# Altium PCB CONTROLLER_BASE.PcbDoc (part 1 of 7) (continued)
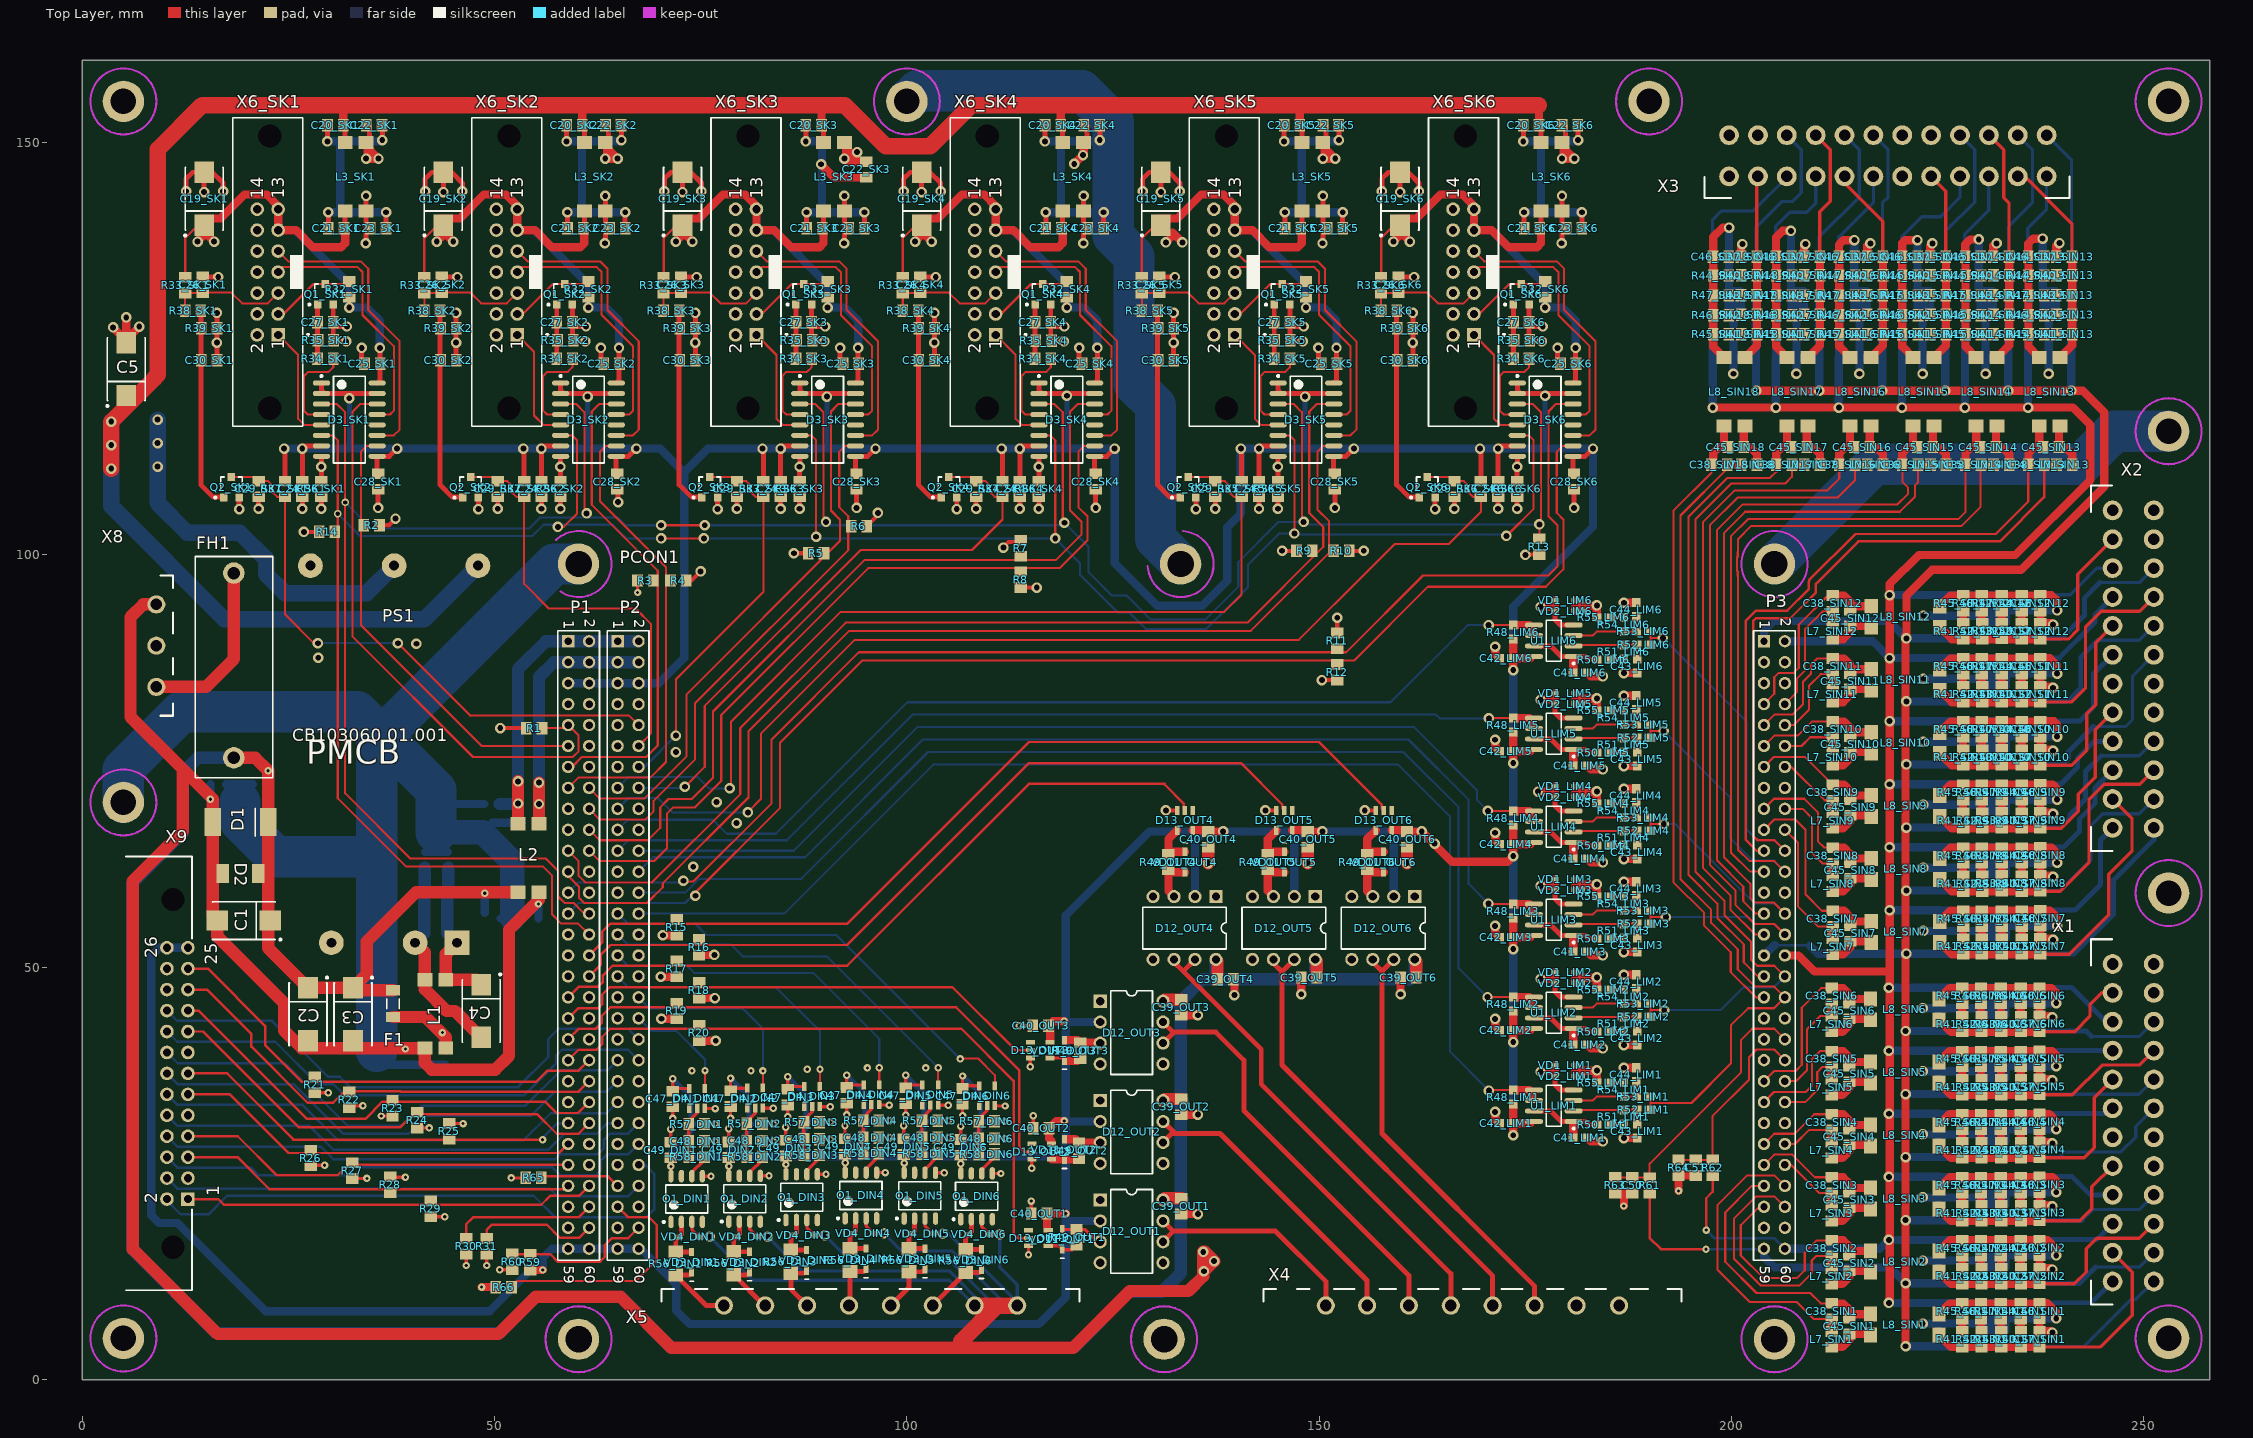
[diagram p0: Top Layer view]
## Design rules (kind name [scope] priority, off if disabled: settings) (continued)
PolygonConnect "Schematic Polygon Connect Style_140" [InComponent('D12_OUT6')] p17: connectstyle=Relief reliefconductorwidth=0.4 reliefentries=4 polygonreliefangle="45 Angle" airgapwidth=0.3
PolygonConnect "Schematic Polygon Connect Style_138" [InComponent('X6_SK5')] p18: connectstyle=Relief reliefconductorwidth=0.4 reliefentries=4 polygonreliefangle="45 Angle" airgapwidth=0.3
PolygonConnect "Schematic Polygon Connect Style_137" [InComponent('D12_OUT2')] p19: connectstyle=Relief reliefconductorwidth=0.4 reliefentries=4 polygonreliefangle="45 Angle" airgapwidth=0.3
PolygonConnect "Schematic Polygon Connect Style_136" [InComponent('D12_OUT4')] p20: connectstyle=Relief reliefconductorwidth=0.4 reliefentries=4 polygonreliefangle="45 Angle" airgapwidth=0.3
PolygonConnect "Schematic Polygon Connect Style_135" [InComponent('D12_OUT5')] p21: connectstyle=Relief reliefconductorwidth=0.4 reliefentries=4 polygonreliefangle="45 Angle" airgapwidth=0.3
PolygonConnect "Schematic Polygon Connect Style_125" [InComponent('D12_OUT6')] p22: connectstyle=Relief reliefconductorwidth=0.4 reliefentries=4 polygonreliefangle="45 Angle" airgapwidth=0.3
PolygonConnect "Schematic Polygon Connect Style_134" [InComponent('D12_OUT2')] p23: connectstyle=Relief reliefconductorwidth=0.4 reliefentries=4 polygonreliefangle="45 Angle" airgapwidth=0.3
PolygonConnect "Schematic Polygon Connect Style_133" [InComponent('D12_OUT3')] p24: connectstyle=Relief reliefconductorwidth=0.4 reliefentries=4 polygonreliefangle="45 Angle" airgapwidth=0.3
PolygonConnect "Schematic Polygon Connect Style_132" [InComponent('D12_OUT4')] p25: connectstyle=Relief reliefconductorwidth=0.4 reliefentries=4 polygonreliefangle="45 Angle" airgapwidth=0.3
PolygonConnect "Schematic Polygon Connect Style_131" [InComponent('D12_OUT5')] p26: connectstyle=Relief reliefconductorwidth=0.4 reliefentries=4 polygonreliefangle="45 Angle" airgapwidth=0.3
PolygonConnect "Schematic Polygon Connect Style_130" [InComponent('D12_OUT6')] p27: connectstyle=Relief reliefconductorwidth=0.4 reliefentries=4 polygonreliefangle="45 Angle" airgapwidth=0.3
PolygonConnect "Schematic Polygon Connect Style_129" [InComponent('PCON1')] p28: connectstyle=Relief reliefconductorwidth=0.4 reliefentries=4 polygonreliefangle="45 Angle" airgapwidth=0.3
PolygonConnect "Schematic Polygon Connect Style_128" [InComponent('X1')] p29: connectstyle=Relief reliefconductorwidth=0.4 reliefentries=4 polygonreliefangle="45 Angle" airgapwidth=0.3
PolygonConnect "Schematic Polygon Connect Style_127" [InComponent('X2')] p30: connectstyle=Relief reliefconductorwidth=0.4 reliefentries=4 polygonreliefangle="45 Angle" airgapwidth=0.3
PolygonConnect "Schematic Polygon Connect Style_126" [InComponent('X3')] p31: connectstyle=Relief reliefconductorwidth=0.4 reliefentries=4 polygonreliefangle="45 Angle" airgapwidth=0.3
PolygonConnect "Schematic Polygon Connect Style_124" [InComponent('X6_SK5')] p32: connectstyle=Relief reliefconductorwidth=0.4 reliefentries=4 polygonreliefangle="45 Angle" airgapwidth=0.3
PolygonConnect "Schematic Polygon Connect Style_123" [InComponent('X6_SK6')] p33: connectstyle=Relief reliefconductorwidth=0.4 reliefentries=4 polygonreliefangle="45 Angle" airgapwidth=0.3
PolygonConnect "Schematic Polygon Connect Style_122" [InComponent('X9')] p34: connectstyle=Relief reliefconductorwidth=0.4 reliefentries=4 polygonreliefangle="45 Angle" airgapwidth=0.3
PolygonConnect "Schematic Polygon Connect Style_121" [InComponent('X6_SK2')] p35: connectstyle=Relief reliefconductorwidth=0.762 reliefentries=4 polygonreliefangle="45 Angle" airgapwidth=0.254
PolygonConnect "Schematic Polygon Connect Style_120" [InComponent('X6_SK3')] p36: connectstyle=Relief reliefconductorwidth=0.762 reliefentries=4 polygonreliefangle="45 Angle" airgapwidth=0.254
PolygonConnect "Schematic Polygon Connect Style_119" [InComponent('X4')] p37: connectstyle=Relief reliefconductorwidth=0.3 reliefentries=4 polygonreliefangle="45 Angle" airgapwidth=0.3
PolygonConnect "Schematic Polygon Connect Style_108" [InComponent('X5')] p38: connectstyle=Relief reliefconductorwidth=0.3 reliefentries=4 polygonreliefangle="45 Angle" airgapwidth=0.3
PolygonConnect "Schematic Polygon Connect Style_118" [InComponent('X6_SK6')] p39: connectstyle=Relief reliefconductorwidth=0.762 reliefentries=4 polygonreliefangle="45 Angle" airgapwidth=0.254
PolygonConnect "Schematic Polygon Connect Style_117" [InComponent('X6_SK2')] p40: connectstyle=Relief reliefconductorwidth=0.762 reliefentries=4 polygonreliefangle="45 Angle" airgapwidth=0.254
PolygonConnect "Schematic Polygon Connect Style_116" [InComponent('X6_SK3')] p41: connectstyle=Relief reliefconductorwidth=0.762 reliefentries=4 polygonreliefangle="45 Angle" airgapwidth=0.254
PolygonConnect "Schematic Polygon Connect Style_115" [InComponent('X6_SK2')] p42: connectstyle=Relief reliefconductorwidth=0.762 reliefentries=4 polygonreliefangle="45 Angle" airgapwidth=0.254
PolygonConnect "Schematic Polygon Connect Style_114" [InComponent('X6_SK3')] p43: connectstyle=Relief reliefconductorwidth=0.762 reliefentries=4 polygonreliefangle="45 Angle" airgapwidth=0.254
PolygonConnect "Schematic Polygon Connect Style_113" [InComponent('X6_SK2')] p44: connectstyle=Relief reliefconductorwidth=0.762 reliefentries=4 polygonreliefangle="45 Angle" airgapwidth=0.254
PolygonConnect "Schematic Polygon Connect Style_112" [InComponent('X6_SK3')] p45: connectstyle=Relief reliefconductorwidth=0.762 reliefentries=4 polygonreliefangle="45 Angle" airgapwidth=0.254
PolygonConnect "Schematic Polygon Connect Style_111" [InComponent('X6_SK2')] p46: connectstyle=Relief reliefconductorwidth=0.762 reliefentries=4 polygonreliefangle="45 Angle" airgapwidth=0.254
PolygonConnect "Schematic Polygon Connect Style_110" [InComponent('X6_SK3')] p47: connectstyle=Relief reliefconductorwidth=0.762 reliefentries=4 polygonreliefangle="45 Angle" airgapwidth=0.254
PolygonConnect "Schematic Polygon Connect Style_109" [InComponent('X6_SK2')] p48: connectstyle=Relief reliefconductorwidth=0.762 reliefentries=4 polygonreliefangle="45 Angle" airgapwidth=0.254
PolygonConnect "Schematic Polygon Connect Style_83" [InComponent('X6_SK3')] p49: connectstyle=Relief reliefconductorwidth=0.762 reliefentries=4 polygonreliefangle="45 Angle" airgapwidth=0.254
PolygonConnect "Schematic Polygon Connect Style_107" [InComponent('X6_SK2')] p50: connectstyle=Relief reliefconductorwidth=0.762 reliefentries=4 polygonreliefangle="45 Angle" airgapwidth=0.254
PolygonConnect "Schematic Polygon Connect Style_106" [InComponent('X6_SK1')] p51: connectstyle=Relief reliefconductorwidth=0.762 reliefentries=4 polygonreliefangle="45 Angle" airgapwidth=0.254
PolygonConnect "Schematic Polygon Connect Style_105" [InComponent('X6_SK1')] p52: connectstyle=Relief reliefconductorwidth=0.762 reliefentries=4 polygonreliefangle="45 Angle" airgapwidth=0.254
PolygonConnect "Schematic Polygon Connect Style_104" [InComponent('X6_SK2')] p53: connectstyle=Relief reliefconductorwidth=0.762 reliefentries=4 polygonreliefangle="45 Angle" airgapwidth=0.254
PolygonConnect "Schematic Polygon Connect Style_103" [InComponent('X6_SK1')] p54: connectstyle=Relief reliefconductorwidth=0.762 reliefentries=4 polygonreliefangle="45 Angle" airgapwidth=0.254
PolygonConnect "Schematic Polygon Connect Style_102" [InComponent('X6_SK3')] p55: connectstyle=Relief reliefconductorwidth=0.762 reliefentries=4 polygonreliefangle="45 Angle" airgapwidth=0.254
PolygonConnect "Schematic Polygon Connect Style_101" [InComponent('X6_SK2')] p56: connectstyle=Relief reliefconductorwidth=0.762 reliefentries=4 polygonreliefangle="45 Angle" airgapwidth=0.254
PolygonConnect "Schematic Polygon Connect Style_100" [InComponent('X6_SK3')] p57: connectstyle=Relief reliefconductorwidth=0.762 reliefentries=4 polygonreliefangle="45 Angle" airgapwidth=0.254
PolygonConnect "Schematic Polygon Connect Style_99" [InComponent('X6_SK1')] p58: connectstyle=Relief reliefconductorwidth=0.762 reliefentries=4 polygonreliefangle="45 Angle" airgapwidth=0.254
PolygonConnect "Schematic Polygon Connect Style_98" [InComponent('X6_SK3')] p59: connectstyle=Relief reliefconductorwidth=0.762 reliefentries=4 polygonreliefangle="45 Angle" airgapwidth=0.254
PolygonConnect "Schematic Polygon Connect Style_97" [InComponent('X6_SK1')] p60: connectstyle=Relief reliefconductorwidth=0.762 reliefentries=4 polygonreliefangle="45 Angle" airgapwidth=0.254
PolygonConnect "Schematic Polygon Connect Style_96" [InComponent('X6_SK3')] p61: connectstyle=Relief reliefconductorwidth=0.762 reliefentries=4 polygonreliefangle="45 Angle" airgapwidth=0.254
PolygonConnect "Schematic Polygon Connect Style_95" [InComponent('X6_SK2')] p62: connectstyle=Relief reliefconductorwidth=0.762 reliefentries=4 polygonreliefangle="45 Angle" airgapwidth=0.254
PolygonConnect "Schematic Polygon Connect Style_94" [InComponent('X6_SK3')] p63: connectstyle=Relief reliefconductorwidth=0.762 reliefentries=4 polygonreliefangle="45 Angle" airgapwidth=0.254
PolygonConnect "Schematic Polygon Connect Style_93" [InComponent('X6_SK2')] p64: connectstyle=Relief reliefconductorwidth=0.762 reliefentries=4 polygonreliefangle="45 Angle" airgapwidth=0.254
PolygonConnect "Schematic Polygon Connect Style_92" [InComponent('X6_SK1')] p65: connectstyle=Relief reliefconductorwidth=0.762 reliefentries=4 polygonreliefangle="45 Angle" airgapwidth=0.254
PolygonConnect "Schematic Polygon Connect Style_91" [InComponent('X6_SK2')] p66: connectstyle=Relief reliefconductorwidth=0.762 reliefentries=4 polygonreliefangle="45 Angle" airgapwidth=0.254
PolygonConnect "Schematic Polygon Connect Style_90" [InComponent('X6_SK3')] p67: connectstyle=Relief reliefconductorwidth=0.762 reliefentries=4 polygonreliefangle="45 Angle" airgapwidth=0.254
PolygonConnect "Schematic Polygon Connect Style_89" [InComponent('X6_SK6')] p68: connectstyle=Relief reliefconductorwidth=0.762 reliefentries=4 polygonreliefangle="45 Angle" airgapwidth=0.254
PolygonConnect "Schematic Polygon Connect Style_88" [InComponent('X6_SK1')] p69: connectstyle=Relief reliefconductorwidth=0.762 reliefentries=4 polygonreliefangle="45 Angle" airgapwidth=0.254
PolygonConnect "Schematic Polygon Connect Style_87" [InComponent('X6_SK3')] p70: connectstyle=Relief reliefconductorwidth=0.762 reliefentries=4 polygonreliefangle="45 Angle" airgapwidth=0.254
PolygonConnect "Schematic Polygon Connect Style_86" [InComponent('X6_SK6')] p71: connectstyle=Relief reliefconductorwidth=0.762 reliefentries=4 polygonreliefangle="45 Angle" airgapwidth=0.254
PolygonConnect "Schematic Polygon Connect Style_85" [InComponent('X6_SK1')] p72: connectstyle=Relief reliefconductorwidth=0.762 reliefentries=4 polygonreliefangle="45 Angle" airgapwidth=0.254
PolygonConnect "Schematic Polygon Connect Style_84" [InComponent('X6_SK3')] p73: connectstyle=Relief reliefconductorwidth=0.762 reliefentries=4 polygonreliefangle="45 Angle" airgapwidth=0.254
PolygonConnect "Schematic Polygon Connect Style_55" [InComponent('X6_SK6')] p74: connectstyle=Relief reliefconductorwidth=0.762 reliefentries=4 polygonreliefangle="45 Angle" airgapwidth=0.254
PolygonConnect "Schematic Polygon Connect Style_82" [InComponent('X6_SK1')] p75: connectstyle=Relief reliefconductorwidth=0.762 reliefentries=4 polygonreliefangle="45 Angle" airgapwidth=0.254
PolygonConnect "Schematic Polygon Connect Style_81" [InComponent('X6_SK3')] p76: connectstyle=Relief reliefconductorwidth=0.762 reliefentries=4 polygonreliefangle="45 Angle" airgapwidth=0.254
PolygonConnect "Schematic Polygon Connect Style_80" [InComponent('X6_SK6')] p77: connectstyle=Relief reliefconductorwidth=0.762 reliefentries=4 polygonreliefangle="45 Angle" airgapwidth=0.254
PolygonConnect "Schematic Polygon Connect Style_79" [InComponent('X6_SK2')] p78: connectstyle=Relief reliefconductorwidth=0.762 reliefentries=4 polygonreliefangle="45 Angle" airgapwidth=0.254
PolygonConnect "Schematic Polygon Connect Style_78" [InComponent('X6_SK3')] p79: connectstyle=Relief reliefconductorwidth=0.762 reliefentries=4 polygonreliefangle="45 Angle" airgapwidth=0.254
PolygonConnect "Schematic Polygon Connect Style_77" [InComponent('X6_SK6')] p80: connectstyle=Relief reliefconductorwidth=0.762 reliefentries=4 polygonreliefangle="45 Angle" airgapwidth=0.254
PolygonConnect "Schematic Polygon Connect Style_76" [InComponent('X6_SK1')] p81: connectstyle=Relief reliefconductorwidth=0.762 reliefentries=4 polygonreliefangle="45 Angle" airgapwidth=0.254
PolygonConnect "Schematic Polygon Connect Style_75" [InComponent('X6_SK3')] p82: connectstyle=Relief reliefconductorwidth=0.762 reliefentries=4 polygonreliefangle="45 Angle" airgapwidth=0.254
PolygonConnect "Schematic Polygon Connect Style_74" [InComponent('X6_SK6')] p83: connectstyle=Relief reliefconductorwidth=0.762 reliefentries=4 polygonreliefangle="45 Angle" airgapwidth=0.254
PolygonConnect "Schematic Polygon Connect Style_73" [InComponent('X6_SK2')] p84: connectstyle=Relief reliefconductorwidth=0.762 reliefentries=4 polygonreliefangle="45 Angle" airgapwidth=0.254
PolygonConnect "Schematic Polygon Connect Style_72" [InComponent('X6_SK3')] p85: connectstyle=Relief reliefconductorwidth=0.762 reliefentries=4 polygonreliefangle="45 Angle" airgapwidth=0.254
PolygonConnect "Schematic Polygon Connect Style_71" [InComponent('X6_SK6')] p86: connectstyle=Relief reliefconductorwidth=0.762 reliefentries=4 polygonreliefangle="45 Angle" airgapwidth=0.254
PolygonConnect "Schematic Polygon Connect Style_70" [InComponent('X6_SK6')] p87: connectstyle=Relief reliefconductorwidth=0.762 reliefentries=4 polygonreliefangle="45 Angle" airgapwidth=0.254
PolygonConnect "Schematic Polygon Connect Style_69" [InComponent('X6_SK2')] p88: connectstyle=Relief reliefconductorwidth=0.762 reliefentries=4 polygonreliefangle="45 Angle" airgapwidth=0.254
PolygonConnect "Schematic Polygon Connect Style_68" [InComponent('X6_SK1')] p89: connectstyle=Relief reliefconductorwidth=0.762 reliefentries=4 polygonreliefangle="45 Angle" airgapwidth=0.254
PolygonConnect "Schematic Polygon Connect Style_67" [InComponent('X6_SK1')] p90: connectstyle=Relief reliefconductorwidth=0.762 reliefentries=4 polygonreliefangle="45 Angle" airgapwidth=0.254
PolygonConnect "Schematic Polygon Connect Style_66" [InComponent('X6_SK3')] p91: connectstyle=Relief reliefconductorwidth=0.762 reliefentries=4 polygonreliefangle="45 Angle" airgapwidth=0.254
PolygonConnect "Schematic Polygon Connect Style_65" [InComponent('X6_SK6')] p92: connectstyle=Relief reliefconductorwidth=0.762 reliefentries=4 polygonreliefangle="45 Angle" airgapwidth=0.254
PolygonConnect "Schematic Polygon Connect Style_64" [InComponent('X6_SK1')] p93: connectstyle=Relief reliefconductorwidth=0.762 reliefentries=4 polygonreliefangle="45 Angle" airgapwidth=0.254
PolygonConnect "Schematic Polygon Connect Style_63" [InComponent('X6_SK3')] p94: connectstyle=Relief reliefconductorwidth=0.762 reliefentries=4 polygonreliefangle="45 Angle" airgapwidth=0.254
PolygonConnect "Schematic Polygon Connect Style_62" [InComponent('X6_SK6')] p95: connectstyle=Relief reliefconductorwidth=0.762 reliefentries=4 polygonreliefangle="45 Angle" airgapwidth=0.254
PolygonConnect "Schematic Polygon Connect Style_61" [InComponent('X1_SK2')] p96: connectstyle=Relief reliefconductorwidth=0.762 reliefentries=4 polygonreliefangle="45 Angle" airgapwidth=0.254
PolygonConnect "Schematic Polygon Connect Style_60" [InComponent('X1_SK3')] p97: connectstyle=Relief reliefconductorwidth=0.762 reliefentries=4 polygonreliefangle="45 Angle" airgapwidth=0.254
PolygonConnect "Schematic Polygon Connect Style_59" [InComponent('X1_SK6')] p98: connectstyle=Relief reliefconductorwidth=0.762 reliefentries=4 polygonreliefangle="45 Angle" airgapwidth=0.254
PolygonConnect "Schematic Polygon Connect Style_58" [InComponent('X1_SK1')] p99: connectstyle=Relief reliefconductorwidth=0.762 reliefentries=4 polygonreliefangle="45 Angle" airgapwidth=0.254
PolygonConnect "Schematic Polygon Connect Style_57" [InComponent('X1_SK3')] p100: connectstyle=Relief reliefconductorwidth=0.762 reliefentries=4 polygonreliefangle="45 Angle" airgapwidth=0.254
PolygonConnect "Schematic Polygon Connect Style_56" [InComponent('X1_SK5')] p101: connectstyle=Relief reliefconductorwidth=0.762 reliefentries=4 polygonreliefangle="45 Angle" airgapwidth=0.254
PolygonConnect "Schematic Polygon Connect Style_25" [InComponent('X1_SK6')] p102: connectstyle=Relief reliefconductorwidth=0.762 reliefentries=4 polygonreliefangle="45 Angle" airgapwidth=0.254
PolygonConnect "Schematic Polygon Connect Style_54" [InComponent('X1_SK1')] p103: connectstyle=Relief reliefconductorwidth=0.762 reliefentries=4 polygonreliefangle="45 Angle" airgapwidth=0.254
PolygonConnect "Schematic Polygon Connect Style_53" [InComponent('X1_SK3')] p104: connectstyle=Relief reliefconductorwidth=0.762 reliefentries=4 polygonreliefangle="45 Angle" airgapwidth=0.254
PolygonConnect "Schematic Polygon Connect Style_52" [InComponent('X1_SK5')] p105: connectstyle=Relief reliefconductorwidth=0.762 reliefentries=4 polygonreliefangle="45 Angle" airgapwidth=0.254
PolygonConnect "Schematic Polygon Connect Style_51" [InComponent('X1_SK6')] p106: connectstyle=Relief reliefconductorwidth=0.762 reliefentries=4 polygonreliefangle="45 Angle" airgapwidth=0.254
PolygonConnect "Schematic Polygon Connect Style_50" [InComponent('X1_SK2')] p107: connectstyle=Relief reliefconductorwidth=0.762 reliefentries=4 polygonreliefangle="45 Angle" airgapwidth=0.254
PolygonConnect "Schematic Polygon Connect Style_49" [InComponent('X1_SK3')] p108: connectstyle=Relief reliefconductorwidth=0.762 reliefentries=4 polygonreliefangle="45 Angle" airgapwidth=0.254
PolygonConnect "Schematic Polygon Connect Style_48" [InComponent('X1_SK5')] p109: connectstyle=Relief reliefconductorwidth=0.762 reliefentries=4 polygonreliefangle="45 Angle" airgapwidth=0.254
PolygonConnect "Schematic Polygon Connect Style_47" [InComponent('X1_SK6')] p110: connectstyle=Relief reliefconductorwidth=0.762 reliefentries=4 polygonreliefangle="45 Angle" airgapwidth=0.254
PolygonConnect "Schematic Polygon Connect Style_46" [InComponent('X1_SK3')] p111: connectstyle=Relief reliefconductorwidth=0.762 reliefentries=4 polygonreliefangle="45 Angle" airgapwidth=0.254
PolygonConnect "Schematic Polygon Connect Style_45" [InComponent('X1_SK5')] p112: connectstyle=Relief reliefconductorwidth=0.762 reliefentries=4 polygonreliefangle="45 Angle" airgapwidth=0.254
PolygonConnect "Schematic Polygon Connect Style_44" [InComponent('X1_SK6')] p113: connectstyle=Relief reliefconductorwidth=0.762 reliefentries=4 polygonreliefangle="45 Angle" airgapwidth=0.254
PolygonConnect "Schematic Polygon Connect Style_43" [InComponent('X1_SK2')] p114: connectstyle=Relief reliefconductorwidth=0.762 reliefentries=4 polygonreliefangle="45 Angle" airgapwidth=0.254
PolygonConnect "Schematic Polygon Connect Style_42" [InComponent('X1_SK2')] p115: connectstyle=Relief reliefconductorwidth=0.762 reliefentries=4 polygonreliefangle="45 Angle" airgapwidth=0.254
PolygonConnect "Schematic Polygon Connect Style_41" [InComponent('X1_SK3')] p116: connectstyle=Relief reliefconductorwidth=0.762 reliefentries=4 polygonreliefangle="45 Angle" airgapwidth=0.254
PolygonConnect "Schematic Polygon Connect Style_40" [InComponent('X1_SK5')] p117: connectstyle=Relief reliefconductorwidth=0.762 reliefentries=4 polygonreliefangle="45 Angle" airgapwidth=0.254
PolygonConnect "Schematic Polygon Connect Style_39" [InComponent('X1_SK6')] p118: connectstyle=Relief reliefconductorwidth=0.762 reliefentries=4 polygonreliefangle="45 Angle" airgapwidth=0.254
PolygonConnect "Schematic Polygon Connect Style_38" [InComponent('X1_SK1')] p119: connectstyle=Relief reliefconductorwidth=0.762 reliefentries=4 polygonreliefangle="45 Angle" airgapwidth=0.254
PolygonConnect "Schematic Polygon Connect Style_37" [InComponent('X1_SK3')] p120: connectstyle=Relief reliefconductorwidth=0.762 reliefentries=4 polygonreliefangle="45 Angle" airgapwidth=0.254
PolygonConnect "Schematic Polygon Connect Style_36" [InComponent('X1_SK5')] p121: connectstyle=Relief reliefconductorwidth=0.762 reliefentries=4 polygonreliefangle="45 Angle" airgapwidth=0.254
PolygonConnect "Schematic Polygon Connect Style_35" [InComponent('X1_SK6')] p122: connectstyle=Relief reliefconductorwidth=0.762 reliefentries=4 polygonreliefangle="45 Angle" airgapwidth=0.254
PolygonConnect "Schematic Polygon Connect Style_34" [InComponent('X1_SK1')] p123: connectstyle=Relief reliefconductorwidth=0.762 reliefentries=4 polygonreliefangle="45 Angle" airgapwidth=0.254
PolygonConnect "Schematic Polygon Connect Style_33" [InComponent('X1_SK3')] p124: connectstyle=Relief reliefconductorwidth=0.762 reliefentries=4 polygonreliefangle="45 Angle" airgapwidth=0.254
PolygonConnect "Schematic Polygon Connect Style_32" [InComponent('X1_SK5')] p125: connectstyle=Relief reliefconductorwidth=0.762 reliefentries=4 polygonreliefangle="45 Angle" airgapwidth=0.254
PolygonConnect "Schematic Polygon Connect Style_31" [InComponent('X1_SK6')] p126: connectstyle=Relief reliefconductorwidth=0.762 reliefentries=4 polygonreliefangle="45 Angle" airgapwidth=0.254
PolygonConnect "Schematic Polygon Connect Style_30" [InComponent('X1_SK2')] p127: connectstyle=Relief reliefconductorwidth=0.762 reliefentries=4 polygonreliefangle="45 Angle" airgapwidth=0.254
PolygonConnect "Schematic Polygon Connect Style_29" [InComponent('X1_SK3')] p128: connectstyle=Relief reliefconductorwidth=0.762 reliefentries=4 polygonreliefangle="45 Angle" airgapwidth=0.254
PolygonConnect "Schematic Polygon Connect Style_28" [InComponent('X1_SK5')] p129: connectstyle=Relief reliefconductorwidth=0.762 reliefentries=4 polygonreliefangle="45 Angle" airgapwidth=0.254
PolygonConnect "Schematic Polygon Connect Style_27" [InComponent('X1_SK6')] p130: connectstyle=Relief reliefconductorwidth=0.762 reliefentries=4 polygonreliefangle="45 Angle" airgapwidth=0.254
PolygonConnect "Schematic Polygon Connect Style_26" [InComponent('X1_SK1')] p131: connectstyle=Relief reliefconductorwidth=0.762 reliefentries=4 polygonreliefangle="45 Angle" airgapwidth=0.254
PolygonConnect "Schematic Polygon Connect Style_19" [InComponent('X1_SK3')] p132: connectstyle=Relief reliefconductorwidth=0.762 reliefentries=4 polygonreliefangle="45 Angle" airgapwidth=0.254
PolygonConnect "Schematic Polygon Connect Style_24" [InComponent('X1_SK1')] p133: connectstyle=Relief reliefconductorwidth=0.762 reliefentries=4 polygonreliefangle="45 Angle" airgapwidth=0.254
PolygonConnect "Schematic Polygon Connect Style_23" [InComponent('X1_SK3')] p134: connectstyle=Relief reliefconductorwidth=0.762 reliefentries=4 polygonreliefangle="45 Angle" airgapwidth=0.254
PolygonConnect "Schematic Polygon Connect Style_22" [InComponent('X1_SK1')] p135: connectstyle=Relief reliefconductorwidth=0.762 reliefentries=4 polygonreliefangle="45 Angle" airgapwidth=0.254
PolygonConnect "Schematic Polygon Connect Style_21" [InComponent('X1_SK3')] p136: connectstyle=Relief reliefconductorwidth=0.762 reliefentries=4 polygonreliefangle="45 Angle" airgapwidth=0.254
PolygonConnect "Schematic Polygon Connect Style_20" [InComponent('X1_SK1')] p137: connectstyle=Relief reliefconductorwidth=0.762 reliefentries=4 polygonreliefangle="45 Angle" airgapwidth=0.254
PolygonConnect "Schematic Polygon Connect Style" [InComponent('X1_SK3')] p138: connectstyle=Relief reliefconductorwidth=0.762 reliefentries=4 polygonreliefangle="45 Angle" airgapwidth=0.254
PolygonConnect "Schematic Polygon Connect Style_18" [InComponent('X1_SK1')] p139: connectstyle=Relief reliefconductorwidth=0.762 reliefentries=4 polygonreliefangle="45 Angle" airgapwidth=0.254
PolygonConnect "Schematic Polygon Connect Style_17" [InComponent('X1_SK6')] p140: connectstyle=Relief reliefconductorwidth=0.762 reliefentries=4 polygonreliefangle="45 Angle" airgapwidth=0.254
PolygonConnect "Schematic Polygon Connect Style_16" [InComponent('X1_SK3')] p141: connectstyle=Relief reliefconductorwidth=0.762 reliefentries=4 polygonreliefangle="45 Angle" airgapwidth=0.254
PolygonConnect "Schematic Polygon Connect Style_15" [InComponent('X1_SK2')] p142: connectstyle=Relief reliefconductorwidth=0.762 reliefentries=4 polygonreliefangle="45 Angle" airgapwidth=0.254
PolygonConnect "Schematic Polygon Connect Style_14" [InComponent('X1_SK6')] p143: connectstyle=Relief reliefconductorwidth=0.762 reliefentries=4 polygonreliefangle="45 Angle" airgapwidth=0.254
PolygonConnect "Schematic Polygon Connect Style_13" [InComponent('X1_SK3')] p144: connectstyle=Relief reliefconductorwidth=0.762 reliefentries=4 polygonreliefangle="45 Angle" airgapwidth=0.254
PolygonConnect "Schematic Polygon Connect Style_12" [InComponent('X1_SK1')] p145: connectstyle=Relief reliefconductorwidth=0.762 reliefentries=4 polygonreliefangle="45 Angle" airgapwidth=0.254
PolygonConnect "Schematic Polygon Connect Style_11" [InComponent('X1_SK3')] p146: connectstyle=Relief reliefconductorwidth=0.762 reliefentries=4 polygonreliefangle="45 Angle" airgapwidth=0.254
PolygonConnect "Schematic Polygon Connect Style_10" [InComponent('X1_SK5')] p147: connectstyle=Relief reliefconductorwidth=0.762 reliefentries=4 polygonreliefangle="45 Angle" airgapwidth=0.254
PolygonConnect "Schematic Polygon Connect Style_9" [InComponent('X1_SK6')] p148: connectstyle=Relief reliefconductorwidth=0.762 reliefentries=4 polygonreliefangle="45 Angle" airgapwidth=0.254
PolygonConnect "Schematic Polygon Connect Style_8" [InComponent('X1_SK1')] p149: connectstyle=Relief reliefconductorwidth=0.762 reliefentries=4 polygonreliefangle="45 Angle" airgapwidth=0.254
PolygonConnect "Schematic Polygon Connect Style_7" [InComponent('X1_SK3')] p150: connectstyle=Relief reliefconductorwidth=0.762 reliefentries=4 polygonreliefangle="45 Angle" airgapwidth=0.254
PolygonConnect "Schematic Polygon Connect Style_6" [InComponent('X1_SK5')] p151: connectstyle=Relief reliefconductorwidth=0.762 reliefentries=4 polygonreliefangle="45 Angle" airgapwidth=0.254
PolygonConnect "Schematic Polygon Connect Style_5" [InComponent('X1_SK6')] p152: connectstyle=Relief reliefconductorwidth=0.762 reliefentries=4 polygonreliefangle="45 Angle" airgapwidth=0.254
PolygonConnect "Schematic Polygon Connect Style_4" [InComponent('X1_SK1')] p153: connectstyle=Relief reliefconductorwidth=0.762 reliefentries=4 polygonreliefangle="45 Angle" airgapwidth=0.254
PolygonConnect "Schematic Polygon Connect Style_3" [InComponent('X1_SK3')] p154: connectstyle=Relief reliefconductorwidth=0.762 reliefentries=4 polygonreliefangle="45 Angle" airgapwidth=0.254
PolygonConnect "Schematic Polygon Connect Style_2" [InComponent('X1_SK4')] p155: connectstyle=Relief reliefconductorwidth=0.762 reliefentries=4 polygonreliefangle="45 Angle" airgapwidth=0.254
PolygonConnect "Schematic Polygon Connect Style_1" [InComponent('X1_SK5')] p156: connectstyle=Relief reliefconductorwidth=0.762 reliefentries=4 polygonreliefangle="45 Angle" airgapwidth=0.254
PolygonConnect [All] p157: connectstyle=Direct reliefconductorwidth=0.254 reliefentries=4 polygonreliefangle="90 Angle" airgapwidth=0.254
RoomDefinition DIN6 [InComponentClass('DIN6')] p1: confinementstyle=ConfineIn formatcopy=TRUE lockcomponents=FALSE outline 105.258,10.764 112.522,10.764 112.522,38.292 105.258,38.292
RoomDefinition DIN5 [InComponentClass('DIN5')] p2: confinementstyle=ConfineIn formatcopy=TRUE lockcomponents=FALSE outline 98.374,10.851 105.639,10.851 105.639,38.379 98.374,38.379
RoomDefinition DIN4 [InComponentClass('DIN4')] p3: confinementstyle=ConfineIn formatcopy=TRUE lockcomponents=FALSE outline 91.231,10.871 98.496,10.871 98.496,38.399 91.231,38.399
RoomDefinition DIN3 [InComponentClass('DIN3')] p4: confinementstyle=ConfineIn formatcopy=TRUE lockcomponents=FALSE outline 84.049,10.673 91.313,10.673 91.313,38.202 84.049,38.202
RoomDefinition DIN2 [InComponentClass('DIN2')] p5: confinementstyle=ConfineIn formatcopy=TRUE lockcomponents=FALSE outline 77.133,10.477 84.397,10.477 84.397,38.006 77.133,38.006
RoomDefinition DIN1 [InComponentClass('DIN1')] p6: confinementstyle=ConfineIn formatcopy=TRUE lockcomponents=FALSE outline 70.104,10.445 77.368,10.445 77.368,37.973 70.104,37.973
RoomDefinition LIM6 [InComponentClass('LIM6')] p7: confinementstyle=ConfineIn formatcopy=TRUE lockcomponents=FALSE outline 169.709,84.24 191.35,84.24 191.35,95.518 169.709,95.518
RoomDefinition LIM5 [InComponentClass('LIM5')] p8: confinementstyle=ConfineIn formatcopy=TRUE lockcomponents=FALSE outline 169.709,72.962 191.35,72.962 191.35,84.24 169.709,84.24
RoomDefinition LIM4 [InComponentClass('LIM4')] p9: confinementstyle=ConfineIn formatcopy=TRUE lockcomponents=FALSE outline 169.709,61.685 191.35,61.685 191.35,72.962 169.709,72.962
RoomDefinition LIM3 [InComponentClass('LIM3')] p10: confinementstyle=ConfineIn formatcopy=TRUE lockcomponents=FALSE outline 169.709,50.407 191.35,50.407 191.35,61.685 169.709,61.685
RoomDefinition LIM2 [InComponentClass('LIM2')] p11: confinementstyle=ConfineIn formatcopy=TRUE lockcomponents=FALSE outline 169.709,39.13 191.35,39.13 191.35,50.407 169.709,50.407
RoomDefinition LIM1 [InComponentClass('LIM1')] p12: confinementstyle=ConfineIn formatcopy=TRUE lockcomponents=FALSE outline 169.709,27.852 191.35,27.852 191.35,39.13 169.709,39.13
RoomDefinition OUT6 [InComponentClass('OUT6')] p13: confinementstyle=ConfineIn formatcopy=TRUE lockcomponents=FALSE outline 151.567,70.926 151.567,45.773 163.617,45.773 163.617,70.926
RoomDefinition OUT5 [InComponentClass('OUT5')] p14: confinementstyle=ConfineIn formatcopy=TRUE lockcomponents=FALSE outline 139.517,70.926 139.517,45.773 151.567,45.773 151.567,70.926
RoomDefinition OUT4 [InComponentClass('OUT4')] p15: confinementstyle=ConfineIn formatcopy=TRUE lockcomponents=FALSE outline 127.467,70.926 127.467,45.773 141.021,45.773 141.021,70.926
RoomDefinition OUT3 [InComponentClass('OUT3')] p16: confinementstyle=ConfineIn formatcopy=TRUE lockcomponents=FALSE outline 111.254,36.083 136.408,36.083 136.408,48.133 111.254,48.133
RoomDefinition OUT2 [InComponentClass('OUT2')] p17: confinementstyle=ConfineIn formatcopy=TRUE lockcomponents=FALSE outline 111.254,24.033 136.408,24.033 136.408,36.083 111.254,36.083
RoomDefinition OUT1 [InComponentClass('OUT1')] p18: confinementstyle=ConfineIn formatcopy=TRUE lockcomponents=FALSE outline 111.254,11.983 136.408,11.983 136.408,24.033 111.254,24.033
RoomDefinition SIN18 [InComponentClass('SIN18')] p19: confinementstyle=ConfineIn formatcopy=TRUE lockcomponents=FALSE outline 204.235,109.478 204.235,139.018 196.342,139.018 196.342,109.478
RoomDefinition SIN17 [InComponentClass('SIN17')] p20: confinementstyle=ConfineIn formatcopy=TRUE lockcomponents=FALSE outline 211.88,109.478 211.88,139.018 204.235,139.018 204.235,109.478
RoomDefinition SIN16 [InComponentClass('SIN16')] p21: confinementstyle=ConfineIn formatcopy=TRUE lockcomponents=FALSE outline 219.525,109.478 219.525,139.018 211.88,139.018 211.88,109.478
RoomDefinition SIN15 [InComponentClass('SIN15')] p22: confinementstyle=ConfineIn formatcopy=TRUE lockcomponents=FALSE outline 227.171,109.478 227.171,139.018 219.525,139.018 219.525,109.478
RoomDefinition SIN14 [InComponentClass('SIN14')] p23: confinementstyle=ConfineIn formatcopy=TRUE lockcomponents=FALSE outline 234.816,109.478 234.816,139.018 227.171,139.018 227.171,109.478
RoomDefinition SIN13 [InComponentClass('SIN13')] p24: confinementstyle=ConfineIn formatcopy=TRUE lockcomponents=FALSE outline 242.462,109.478 242.462,139.018 234.816,139.018 234.816,109.478
RoomDefinition SIN12 [InComponentClass('SIN12')] p25: confinementstyle=ConfineIn formatcopy=TRUE lockcomponents=FALSE outline 211.1,88.5 238.6,88.5 238.6,96.5 211.1,96.5
RoomDefinition SIN11 [InComponentClass('SIN11')] p26: confinementstyle=ConfineIn formatcopy=TRUE lockcomponents=FALSE outline 211.1,80.9 238.6,80.9 238.6,88.8 211.1,88.8
RoomDefinition SIN10 [InComponentClass('SIN10')] p27: confinementstyle=ConfineIn formatcopy=TRUE lockcomponents=FALSE outline 211.1,73.2 238.6,73.2 238.6,81.2 211.1,81.2
RoomDefinition SIN9 [InComponentClass('SIN9')] p28: confinementstyle=ConfineIn formatcopy=TRUE lockcomponents=FALSE outline 211.1,65.6 238.6,65.6 238.6,73.5 211.1,73.5
RoomDefinition SIN8 [InComponentClass('SIN8')] p29: confinementstyle=ConfineIn formatcopy=TRUE lockcomponents=FALSE outline 211.1,57.9 238.6,57.9 238.6,65.9 211.1,65.9
RoomDefinition SIN7 [InComponentClass('SIN7')] p30: confinementstyle=ConfineIn formatcopy=TRUE lockcomponents=FALSE outline 211.1,50.3 238.6,50.3 238.6,58.2 211.1,58.2
RoomDefinition SIN6 [InComponentClass('SIN6')] p31: confinementstyle=ConfineIn formatcopy=TRUE lockcomponents=FALSE outline 210.677,41.015 240.217,41.015 240.217,48.661 210.677,48.661
RoomDefinition SIN5 [InComponentClass('SIN5')] p32: confinementstyle=ConfineIn formatcopy=TRUE lockcomponents=FALSE outline 210.677,33.37 240.217,33.37 240.217,41.015 210.677,41.015
RoomDefinition SIN4 [InComponentClass('SIN4')] p33: confinementstyle=ConfineIn formatcopy=TRUE lockcomponents=FALSE outline 210.677,25.725 240.217,25.725 240.217,33.37 210.677,33.37
RoomDefinition SIN3 [InComponentClass('SIN3')] p34: confinementstyle=ConfineIn formatcopy=TRUE lockcomponents=FALSE outline 210.677,18.079 240.217,18.079 240.217,25.725 210.677,25.725
RoomDefinition SIN2 [InComponentClass('SIN2')] p35: confinementstyle=ConfineIn formatcopy=TRUE lockcomponents=FALSE outline 210.677,10.434 240.217,10.434 240.217,18.079 210.677,18.079
RoomDefinition SIN1 [InComponentClass('SIN1')] p36: confinementstyle=ConfineIn formatcopy=TRUE lockcomponents=FALSE outline 210.677,2.788 240.217,2.788 240.217,10.434 210.677,10.434
RoomDefinition SK6 [InComponentClass('SK6')] p37: confinementstyle=ConfineIn formatcopy=TRUE lockcomponents=FALSE outline 155.5,104.7 184.5,104.7 184.5,158.7 155.5,158.7
RoomDefinition SK5 [InComponentClass('SK5')] p38: confinementstyle=ConfineIn formatcopy=TRUE lockcomponents=FALSE outline 126.5,104.7 155.5,104.7 155.5,158.7 126.5,158.7
RoomDefinition SK4 [InComponentClass('SK4')] p39: confinementstyle=ConfineIn formatcopy=TRUE lockcomponents=FALSE outline 97.5,104.7 126.5,104.7 126.5,158.7 97.5,158.7
RoomDefinition SK3 [InComponentClass('SK3')] p40: confinementstyle=ConfineIn formatcopy=TRUE lockcomponents=FALSE outline 68.5,104.7 97.5,104.7 97.5,158.7 68.5,158.7
RoomDefinition SK2 [InComponentClass('SK2')] p41: confinementstyle=ConfineIn formatcopy=TRUE lockcomponents=FALSE outline 39.5,104.7 68.5,104.7 68.5,158.7 39.5,158.7
RoomDefinition SK1 [InComponentClass('SK1')] p42: confinementstyle=ConfineIn formatcopy=TRUE lockcomponents=FALSE outline 10.5,104.7 39.5,104.7 39.5,158.7 10.5,158.7
RoomDefinition CB103060Main [InComponentClass('CB103060Main')] p43: confinementstyle=ConfineIn formatcopy=TRUE lockcomponents=FALSE outline -38.4,-3.3 311.9,-3.3 311.9,165.024 -38.4,165.024
RoutingVias [All] p1: holewidth=0.5 width=0.9 viastyle="Through Hole" minholewidth=0.4 minwidth=0.7 maxholewidth=5.711 maxwidth=5.27
SilkToSilkClearance [All] p1: silktosilkclearance=0.2
SilkToSolderMaskClearance SilkscreenOverComponentPads [IsPad] p1: minsilkscreentomaskgap=0.2 clearancetoexposedcopper=TRUE
SolderMaskExpansion "Schematic Solder Mask Expansion_39" [InComponent('D13_OUT4')] p1: expansion=0.075
SolderMaskExpansion "Schematic Solder Mask Expansion_38" [InComponent('D13_OUT3')] p2: expansion=0.075
SolderMaskExpansion "Schematic Solder Mask Expansion_37" [InComponent('D13_OUT5')] p3: expansion=0.075
SolderMaskExpansion "Schematic Solder Mask Expansion_36" [InComponent('D13_OUT6')] p4: expansion=0.075
SolderMaskExpansion "Schematic Solder Mask Expansion_35" [InComponent('D13_OUT2')] p5: expansion=0.075
SolderMaskExpansion "Schematic Solder Mask Expansion_34" [InComponent('D13_OUT3')] p6: expansion=0.075
SolderMaskExpansion "Schematic Solder Mask Expansion_33" [InComponent('D13_OUT5')] p7: expansion=0.075
SolderMaskExpansion "Schematic Solder Mask Expansion_32" [InComponent('D13_OUT2')] p8: expansion=0.075
SolderMaskExpansion "Schematic Solder Mask Expansion_31" [InComponent('D13_OUT6')] p9: expansion=0.075
SolderMaskExpansion "Schematic Solder Mask Expansion_30" [InComponent('D13_OUT2')] p10: expansion=0.075
SolderMaskExpansion "Schematic Solder Mask Expansion_29" [InComponent('D13_OUT5')] p11: expansion=0.075
SolderMaskExpansion "Schematic Solder Mask Expansion_28" [InComponent('D13_OUT6')] p12: expansion=0.075
SolderMaskExpansion "Schematic Solder Mask Expansion_27" [InComponent('D13_OUT4')] p13: expansion=0.075
SolderMaskExpansion "Schematic Solder Mask Expansion_26" [InComponent('D13_OUT2')] p14: expansion=0.075
SolderMaskExpansion "Schematic Solder Mask Expansion_25" [InComponent('D13_OUT5')] p15: expansion=0.075
SolderMaskExpansion "Schematic Solder Mask Expansion_5" [InComponent('D13_OUT6')] p16: expansion=0.075
SolderMaskExpansion "Schematic Solder Mask Expansion_24" [InComponent('D13_OUT3')] p17: expansion=0.075
SolderMaskExpansion "Schematic Solder Mask Expansion_23" [InComponent('D13_OUT4')] p18: expansion=0.075
SolderMaskExpansion "Schematic Solder Mask Expansion_22" [InComponent('D13_OUT5')] p19: expansion=0.075
SolderMaskExpansion "Schematic Solder Mask Expansion_21" [InComponent('D13_OUT6')] p20: expansion=0.075
SolderMaskExpansion "Schematic Solder Mask Expansion_20" [InComponent('D13_OUT2')] p21: expansion=0.075
SolderMaskExpansion "Schematic Solder Mask Expansion_19" [InComponent('D13_OUT4')] p22: expansion=0.075
SolderMaskExpansion "Schematic Solder Mask Expansion_18" [InComponent('D13_OUT5')] p23: expansion=0.075
SolderMaskExpansion "Schematic Solder Mask Expansion_17" [InComponent('D13_OUT6')] p24: expansion=0.075
SolderMaskExpansion "Schematic Solder Mask Expansion_16" [InComponent('D13_OUT2')] p25: expansion=0.075
SolderMaskExpansion "Schematic Solder Mask Expansion_15" [InComponent('D13_OUT4')] p26: expansion=0.075
SolderMaskExpansion "Schematic Solder Mask Expansion_14" [InComponent('D13_OUT5')] p27: expansion=0.075
SolderMaskExpansion "Schematic Solder Mask Expansion_13" [InComponent('D13_OUT6')] p28: expansion=0.075
SolderMaskExpansion "Schematic Solder Mask Expansion_12" [InComponent('D13_OUT2')] p29: expansion=0.075
SolderMaskExpansion "Schematic Solder Mask Expansion_11" [InComponent('D13_OUT4')] p30: expansion=0.075
SolderMaskExpansion "Schematic Solder Mask Expansion_10" [InComponent('D13_OUT5')] p31: expansion=0.075
SolderMaskExpansion "Schematic Solder Mask Expansion_9" [InComponent('D13_OUT6')] p32: expansion=0.075
SolderMaskExpansion "Schematic Solder Mask Expansion_8" [InComponent('D13_OUT2')] p33: expansion=0.075
SolderMaskExpansion "Schematic Solder Mask Expansion_7" [InComponent('D13_OUT4')] p34: expansion=0.075
SolderMaskExpansion "Schematic Solder Mask Expansion_6" [InComponent('D13_OUT5')] p35: expansion=0.075
SolderMaskExpansion "Schematic Solder Mask Expansion" [InComponent('D13_OUT6')] p36: expansion=0.075
SolderMaskExpansion "Schematic Solder Mask Expansion_4" [InComponent('D13_OUT5')] p37: expansion=0.075
SolderMaskExpansion "Schematic Solder Mask Expansion_3" [InComponent('D13_OUT3')] p38: expansion=0.075
SolderMaskExpansion "Schematic Solder Mask Expansion_2" [InComponent('D13_OUT6')] p39: expansion=0.075
SolderMaskExpansion "Schematic Solder Mask Expansion_1" [InComponent('D13_OUT4')] p40: expansion=0.075
SolderMaskExpansion [All] p41: expansion=0.11
UnpouredPolygon [All] p1: allowunpoured=FALSE
Width [All] p1: maxlimit=55.254 minlimit=0.254 preferedwidth=0.254
22 further rules are at their usual default settings.

## Classes and differential pairs
channel class Inp24VSmall: DIN1 DIN2 DIN3 DIN4 DIN5 DIN6
component class DIN6: C47_DIN6 C48_DIN6 C49_DIN6 D4_DIN6 O1_DIN6 R56_DIN6 R57_DIN6 R58_DIN6 VD3_DIN6 VD4_DIN6
component class DIN5: C47_DIN5 C48_DIN5 C49_DIN5 D4_DIN5 O1_DIN5 R56_DIN5 R57_DIN5 R58_DIN5 VD3_DIN5 VD4_DIN5
component class DIN4: C47_DIN4 C48_DIN4 C49_DIN4 D4_DIN4 O1_DIN4 R56_DIN4 R57_DIN4 R58_DIN4 VD3_DIN4 VD4_DIN4
component class DIN3: C47_DIN3 C48_DIN3 C49_DIN3 D4_DIN3 O1_DIN3 R56_DIN3 R57_DIN3 R58_DIN3 VD3_DIN3 VD4_DIN3
component class DIN2: C47_DIN2 C48_DIN2 C49_DIN2 D4_DIN2 O1_DIN2 R56_DIN2 R57_DIN2 R58_DIN2 VD3_DIN2 VD4_DIN2
component class DIN1: C47_DIN1 C48_DIN1 C49_DIN1 D4_DIN1 O1_DIN1 R56_DIN1 R57_DIN1 R58_DIN1 VD3_DIN1 VD4_DIN1
channel class 15_24VOutput_Iso: OUT1 OUT2 OUT3 OUT4 OUT5 OUT6
component class OUT6: C39_OUT6 C40_OUT6 D12_OUT6 D13_OUT6 R49_OUT6 VD11_OUT6
component class OUT5: C39_OUT5 C40_OUT5 D12_OUT5 D13_OUT5 R49_OUT5 VD11_OUT5
component class OUT4: C39_OUT4 C40_OUT4 D12_OUT4 D13_OUT4 R49_OUT4 VD11_OUT4
component class OUT3: C39_OUT3 C40_OUT3 D12_OUT3 D13_OUT3 R49_OUT3 VD11_OUT3
component class OUT2: C39_OUT2 C40_OUT2 D12_OUT2 D13_OUT2 R49_OUT2 VD11_OUT2
component class OUT1: C39_OUT1 C40_OUT1 D12_OUT1 D13_OUT1 R49_OUT1 VD11_OUT1